# Altium PCB AD9850模块.PcbDoc
Units mm, origin at the board's own origin, x right, y up, seen from the top; angles counter-clockwise.
Board outline 59.69 x 39.37 mm, 2 copper layers (Top Layer, Bottom Layer); 61 components, 34 nets, 176 pads, 25 vias.
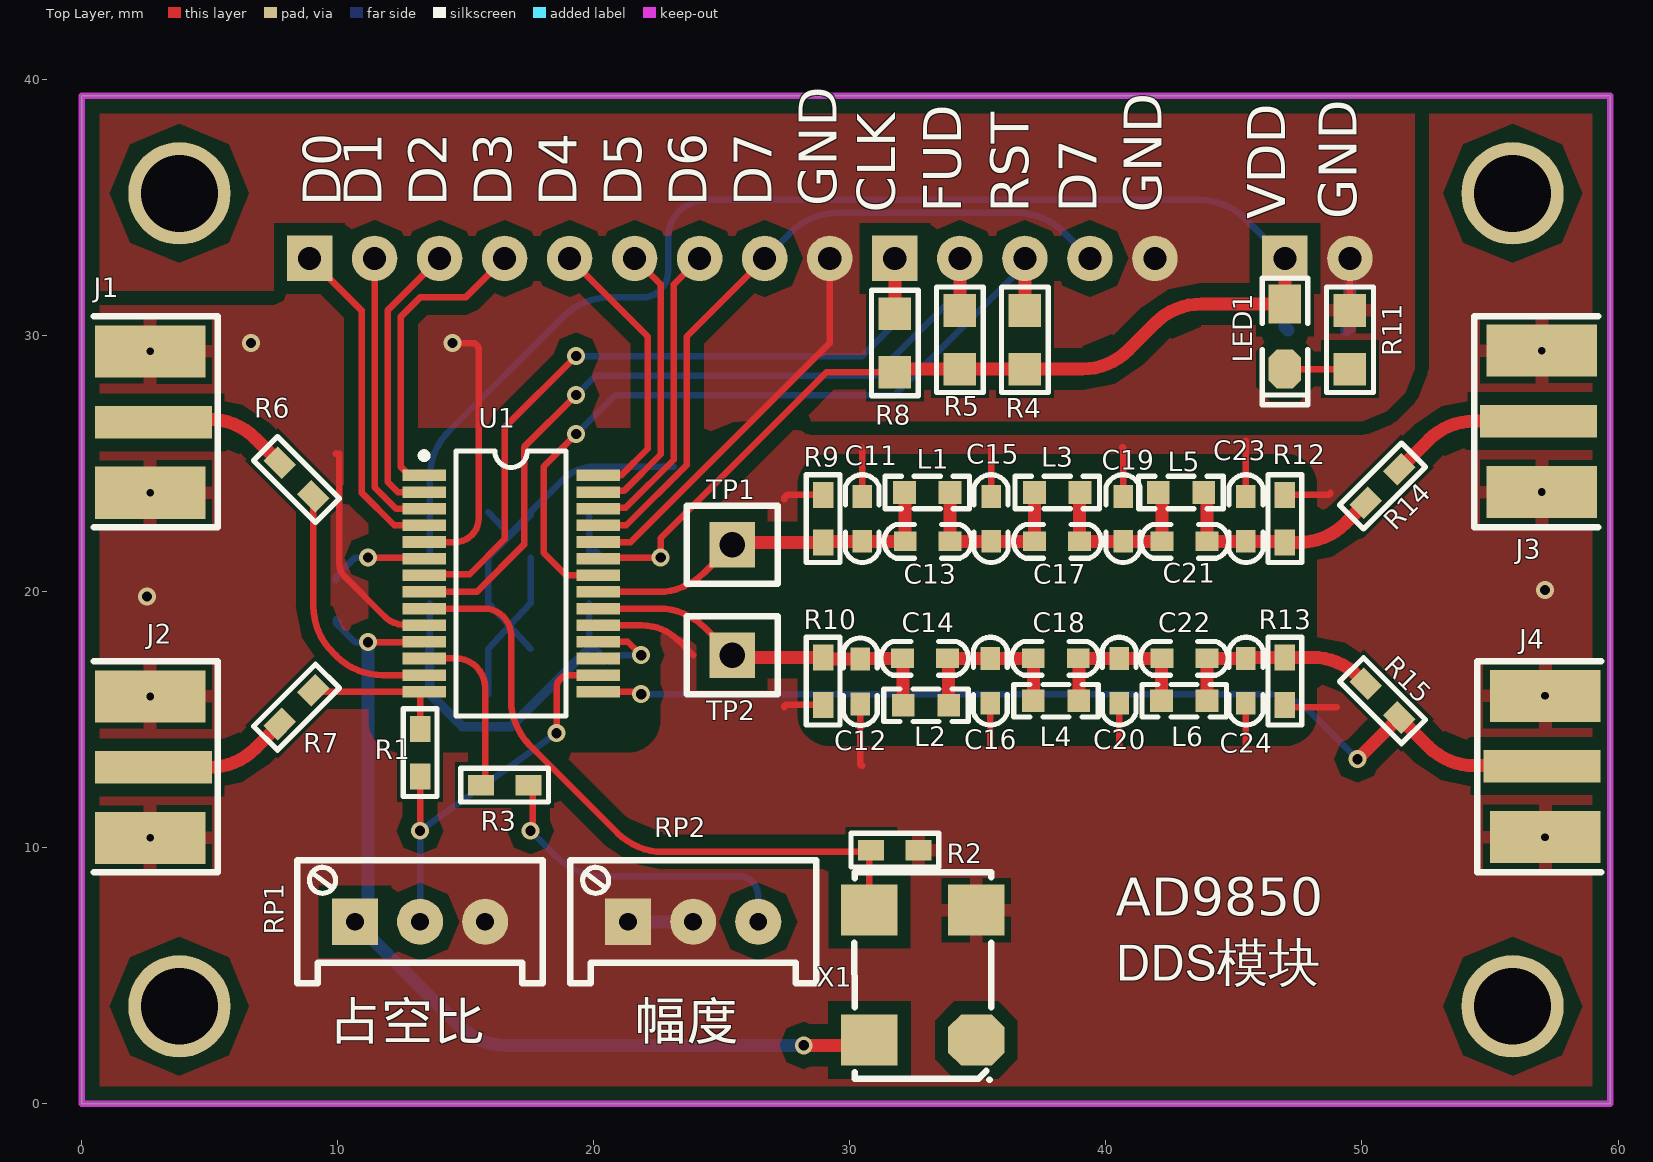
[diagram p0: Top Layer view]
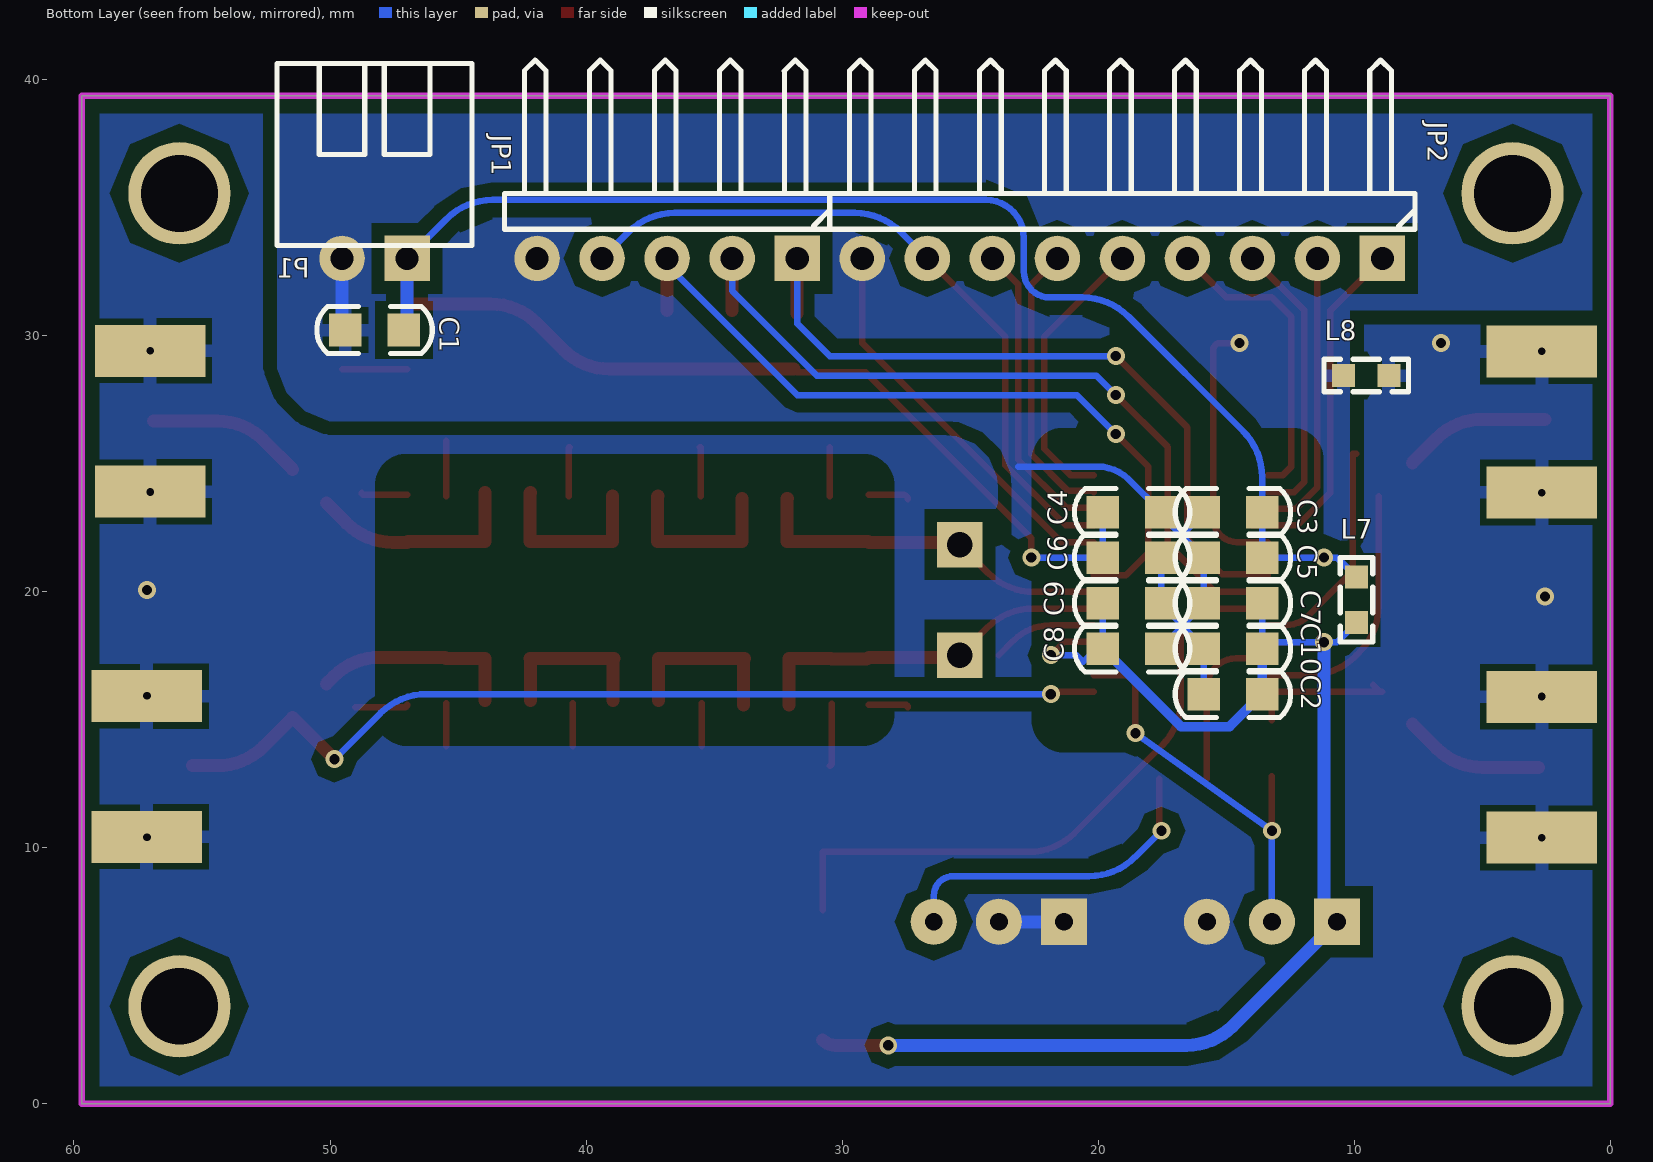
[diagram p1: Bottom Layer view, seen from below]

## Layer stack, top to bottom
Top Solder: solder mask 0.0102, Solder Resist, Dk 3.5
Top Layer: signal copper 0.0356
Dielectric 1: dielectric 0.32, FR-4, Dk 4.8
Bottom Layer: signal copper 0.0356
Bottom Solder: solder mask 0.0102, Solder Resist, Dk 3.5

## Board outline
0,0 59.69,0 59.69,39.37 0,39.37

## Design rules (kind name [scope] priority, off if disabled: settings)
Clearance [All] p1: gap=0.508 ignorepadtopadclearanceinfootprint=FALSE except(0: Arc-Hole Track-Hole SMDPad-Hole THPad-Hole Via-Hole Fill-Hole Poly-Hole Region-Hole Text-Hole; 0.152: SMDPad-SMDPad; 0.203: Arc-THPad Track-THPad; 0.254: Arc-Arc Arc-Track Arc-SMDPad Arc-Via Arc-Text Track-Track Track-SMDPad Track-Via Track-Text SMDPad-THPad SMDPad-Via SMDPad-Text THPad-THPad THPad-Via THPad-Text Via-Via Via-Text Fill-Text Poly-Text Region-Text Text-Text)
ComponentClearance [All] p1: gap=0 collisioncheckmode=3 verticalgap=0 showdistances=FALSE
HoleSize [All] p1: absolutevalues=TRUE maxlimit=4 minlimit=0.025 maxpercent=80.000 minpercent=20.000
MinimumSolderMaskSliver [All] p1: minsoldermaskwidth=0
PolygonConnect [All] p1: thpad.connectstyle=Direct thpad.reliefconductorwidth=0.254 thpad.reliefentries=4 thpad.polygonreliefangle="90 Angle" thpad.airgapwidth=0.254 smdpad.connectstyle=Relief smdpad.reliefconductorwidth=0.508 smdpad.reliefentries=4 smdpad.polygonreliefangle="90 Angle" smdpad.airgapwidth=0.254 via.connectstyle=Direct via.reliefconductorwidth=0.254 via.reliefentries=4 via.polygonreliefangle="90 Angle" via.airgapwidth=0.254
RoutingVias [All] p1: holewidth=0.711 width=1.27 viastyle="Through Hole" minholewidth=0.3 minwidth=0.6 maxholewidth=0.711 maxwidth=1.27
SilkToSilkClearance [All] p1: silktosilkclearance=0
SilkToSolderMaskClearance [IsPad] p1: minsilkscreentomaskgap=0 clearancetoexposedcopper=TRUE
SolderMaskExpansion [All] p1: expansion=0.102
UnpouredPolygon [All] p1: allowunpoured=TRUE allowshelved=TRUE
Width [All] p1: maxlimit=2.54 minlimit=0.254 preferedwidth=0.254
24 further rules are at their usual default settings.

## Components (designator, comment, footprint, x,y, rotation, side; value= is the part's Value field where it differs from the comment)
C1 "10uF" "C 0805" 48.26,30.226 r180 bottom
C2 "10uF" "C 0805" 14.732,16.002 r180 bottom
C3 "0.1uF" "C 0805" 14.732,23.114 r180 bottom
C4 "0.1uF" "C 0805" 18.669,23.114 r0 bottom
C5 "0.1uF" "C 0805" 14.732,21.336 r180 bottom
C6 "0.1uF" "C 0805" 18.669,21.336 r0 bottom
C7 "0.1uF" "C 0805" 14.732,19.558 r180 bottom
C8 "0.1uF" "C 0805" 18.669,17.78 r0 bottom
C9 "0.1uF" "C 0805" 18.669,19.558 r0 bottom
C10 "0.1uF" "C 0805" 14.732,17.78 r180 bottom
C11 "22pF" "C 0603" 30.48,22.86 r90 top
C12 "22pF" "C 0603" 30.404,16.485 r270 top
C13 "1pF" "C 0603" 33.045,21.971 r0 top
C14 "1pF" "C 0603" 32.918,17.399 r180 top
C15 "33pF" "C 0603" 35.509,22.86 r90 top
C16 "33pF" "C 0603" 35.484,16.51 r270 top
C17 "5.6pF" "C 0603" 38.1,21.971 r0 top
C18 "5.6pF" "C 0603" 38.024,17.399 r180 top
C19 "22pF" "C 0603" 40.665,22.86 r90 top
C20 "22pF" "C 0603" 40.513,16.51 r270 top
C21 "4.7pF" "C 0603" 43.078,21.971 r0 top
C22 "4.7pF" "C 0603" 43.053,17.399 r180 top
C23 "22pF" "C 0603" 45.466,22.86 r90 top
C24 "22pF" "C 0603" 45.466,16.51 r270 top
J1 "COAX" MCX5.08-5-H 2.794,26.619 r0 top
J2 "COAX" MCX5.08-5-H 2.794,13.138 r0 top
J3 "COAX" MCX5.08-5-H 56.896,26.67 r180 top
J4 "COAX" MCX5.08-5-H 57.023,13.189 r180 top
JP1 "HDR-1X5" HDR-1X5_H 31.75,33.02 r0 bottom
JP2 "HDR-1X9" HDR-1X9_H 8.89,33.02 r0 bottom
L1 "470nH" "L 0603" 33.02,23.876 r0 top
L2 "470nH" "L 0603" 32.969,15.57 r0 top
L3 "390nH" "L 0603" 38.1,23.876 r0 top
L4 "390nH" "L 0603" 38.049,15.748 r0 top
L5 "390nH" "L 0603" 42.926,23.876 r0 top
L6 "390nH" "L 0603" 43.053,15.748 r0 top
L7 "100nH" "L 0603" 9.906,19.685 r270 bottom
L8 "100nH" "L 0603" 9.525,28.448 r180 bottom
LED1 "红色" "LED 0805G" 46.99,29.972 r270 top
P1 "Header 2" HDR2X1_B2 46.99,33.02 r0 bottom
R1 "200R" "R 0603" 13.208,13.716 r270 top
R2 "50" "R 0603" 31.75,9.906 r180 top
R3 "3.9K" "R 0603" 16.51,12.446 r180 top
R4 "2.2K" "R 0805" 36.83,29.845 r270 top
R5 "2.2K" "R 0805" 34.29,29.845 r270 top
R6 "50R" "R 0603" 8.382,24.384 r315 top
R7 "50R" "R 0603" 8.382,15.494 r45 top
R8 "2.2K" "R 0805" 31.75,29.718 r270 top
R9 "200R" "R 0603" 28.956,22.86 r90 top
R10 "200R" "R 0603" 28.956,16.51 r90 top
R11 "910R" "R 0805" 49.53,29.845 r270 top
R12 "200R" "R 0603" 46.99,22.86 r90 top
R13 "200R" "R 0603" 46.99,16.51 r90 top
R14 "50R" "R 0603" 50.8,24.13 r225 top
R15 "50R" "R 0603" 50.8,15.748 r135 top
RP1 "10K" 3296W 13.208,7.112 r0 top
RP2 "10K" 3296W 23.876,7.112 r0 top
TP1 "TEST TP" "TEST TP1.4_B" 25.4,21.844 r0 top
TP2 "TEST TP" "TEST TP1.4_B" 25.4,17.526 r0 top
U1 "AD9850BRS" RS-28 16.764,20.32 r270 top
X1 "XTAL" X-CPX75 33.02,4.826 r90 top

## Footprints (in the part's own frame and the unit in brackets; to place one, negate y for a bottom-side part, rotate by r counter-clockwise, add the part's x,y. Pads: shape width x height; smd on the part's side, far side on the other; paste and mask are expansions set on the pad)
3296W [mm] "Precise Multi-Winding Adjustable Resistor"
  rect 1.8x1.8 hole 0.7: 1(-2.54,0)
  round 1.8 hole 0.7: 2(0,0) 3(2.54,0)
  silkscreen extent -4.8,-2.4 4.8,2.4, body extent -4.75,-2.4 4.75,2.4, height 11.52
"C 0603" [mil] "无极性贴片电容"
  rect 35x30 smd: 1(-35,0) 2(34,0)
  silkscreen extent -67,-26 67,26, body extent -31,-16 31,16, height 32
"C 0805" [mil] "无极性贴片电容"
  rect 50x50 smd: 1(-45,0) 2(45,0)
  silkscreen extent -89,-36 89,36, body extent -39,-24 39,24, height 20
HDR2X1_B2 [mil] "Connector; Header; 4 Position"
  rect 70x70 hole 35.43: 1(0,0)
  round 70 hole 35.43: 2(100,0)
  silkscreen extent -100,-300 200,-20, body extent -100,-300 200,-15, height 217
HDR-1X5_H [mil] "弯脚排针，5脚"
  rect 70x70 hole 35.43: 1(0,0)
  round 70 hole 35.43: 2(100,0) 3(200,0) 4(300,0) 5(400,0)
  silkscreen extent -50,-305 450,-45, body extent -50,-306 450,50, height 191
HDR-1X9_H [mil] "弯脚排针，9脚"
  rect 70x70 hole 35.43: 1(0,0)
  round 70 hole 35.43: 2(100,0) 3(200,0) 4(300,0) 5(400,0) 6(500,0) 7(600,0) 8(700,0) 9(800,0)
  silkscreen extent -50,-305 850,-45, body extent -50,-306 850,50, height 191
"L 0603" [mil] "小功率贴片电感"
  rect 35x35 smd: 1(-35,0) 2(35,0)
  silkscreen extent -65,-25 65,25, body extent -31,-16 31,16, height 31
"LED 0805G" [mil] "绿色0805LED"
  rect 60x50 smd: 1(-50,0)
  oct 60x50 smd: 2(50,0)
  silkscreen extent -90,-35 105,35, body extent -39,-25 39,25, height 32
MCX5.08-5-H [mil]
  rect 180x50 smd: 1(0,0)
  rect 170x80 smd: 2(-5,109.25) 5(-5,-108.27)
  rect 170x80 smd far side: 3(-5,108.66) 4(-5,-107.87)
  silkscreen extent -92,-161 99,163, body extent -93,-132 80,134, height 39
"R 0603" [mil] "1/10W贴片电阻"
  rect 40x31.5 smd: 1(-36.5,0) 2(36.5,0)
  silkscreen extent -68,-26 68,26, body extent -31,-16 31,16, height 16
"R 0805" [mil] "1/8W贴片电阻"
  rect 50x50 smd: 1(-45,0) 2(45,0)
  silkscreen extent -81,-36 81,36, body extent -39,-25 39,25, height 20
RS-28 [mm] "SSOP; 28 Leads; Body Width 5.3 mm; Pitch 0.65 mm"
  rect 0.45x1.7 smd: 1(-4.225,-3.4) 2(-3.575,-3.4) 3(-2.925,-3.4) 4(-2.275,-3.4) 5(-1.625,-3.4) 6(-0.975,-3.4) 7(-0.325,-3.4) 8(0.325,-3.4) 9(0.975,-3.4) 10(1.625,-3.4) 11(2.275,-3.4) 12(2.925,-3.4) 13(3.575,-3.4) 14(4.225,-3.4) 15(4.225,3.4) 16(3.575,3.4) 17(2.925,3.4) 18(2.275,3.4) 19(1.625,3.4) 20(0.975,3.4) 21(0.325,3.4) 22(-0.325,3.4) 23(-0.975,3.4) 24(-1.625,3.4) 25(-2.275,3.4) 26(-2.925,3.4) 27(-3.575,3.4) 28(-4.225,3.4)
  silkscreen extent -5.18,-3.52 5.18,2.15
"TEST TP1.4_B" [mil] "蓝色，测试环"
  rect 70x70 hole 39.37: 1(0,0)
  silkscreen extent -70,-60 70,60, body extent -66,-55 66,55, height 213
X-CPX75 [mm]
  oct 2x2.2 smd: 1(-2.331,-1.915)
  rect 2x2.2 smd: 2(2.741,-1.915) 3(2.741,2.261) 4(-2.331,2.261)
  silkscreen extent -3.88,-2.5 4.23,2.84, body extent -3.86,-2.49 4.24,2.84, height 1.75

## Part data
C1 C2 C3 C4 C5 C6 C7 C8 C9 C10 C11 C12 C13 C14 C15 C16 C17 C18 C19 C20 C21 C22 C23 C24: library part C, "无极性贴片电容"
JP1: library part "Header 5", "5P接插件", BOM名称=5P接插件, 学习资源=www.ooocke.com, 版权归属=源创客
JP2: library part "Header 9", "9P接插件", BOM名称=9P接插件, 学习资源=www.ooocke.com, 版权归属=源创客
L1 L2 L3 L4 L5 L6 L7 L8: library part L, "小功率贴片电感"
LED1: library part LED-SMD, "贴片LED", BOM名称=贴片LED, 学习资源=www.ooocke.com, 版权归属=源创客
P1: "接插件", LatestRevisionDate=17-Jul-2002, LatestRevisionNote="Re-released for DXP Platform.", Publisher="Altium Limited"
R1 R2 R3 R4 R5 R6 R7 R8 R9 R10 R11 R12 R13 R14 R15: library part R, "贴片电阻", BOM名称=贴片电阻, 学习资源=www.ooocke.com, 版权归属=源创客
RP1 RP2: library part RP-ID, "插件单联电位器", BOM名称=插件电位器, 学习资源=www.ooocke.com, 版权归属=源创客
TP1 TP2: "测试环", BOM名称=测试环, 学习资源=www.ooocke.com, 版权归属=源创客
U1: "CMOS, 125MHz Complete DDS Synthesizer", ComponentLink1Description="Manufacturer Link", ComponentLink1URL=http://www.analog.com/en/prod/0%2C2877%2CAD9850%2C00.html, ComponentLink2Description=Datasheet, ComponentLink2URL=http://www.analog.com/UploadedFiles/Data_Sheets/34008438159094AD9850_h.pdf, DatasheetVersion="Rev.A 1997", LatestRevisionDate=04-Mar-2005, LatestRevisionNote="Stylized 3D Model Added.", Note="Pin 17 is unconnected for optimum performance", PackageDescription="SSOP; 28 Leads; Body Width 5.3 mm; Pitch 0.65 mm", PackageReference=RS-28, PackageVersion="revA, 1997", Published=8-Jun-2000, Publisher="Altium Limited"
X1: library part XTAL_Oscillator, "有源晶振", Frequency=12MHz

## Free pads (board coordinates)
  round 4 hole 3: 1(3.81,35.56) 2(3.81,3.81) 3(55.88,3.81) 4(55.88,35.56)

## Via types
v1: diameter 0.7, hole 0.4, Top Layer to Bottom Layer, tented both sides, 17 vias
v2: diameter 0.6, hole 0.3, Top Layer to Bottom Layer, tented both sides, 8 vias

## Nets (pads, with @x,y where several pads share a name; then routed paths per layer and width w, separated by ;. In a path a pad name is that pad's centre, name@x,y a point inside that pad or via, vN(x,y) a via of type N, cw(c..) or ccw(c..) an arc to the next point about the centre after c; other vN are vias at no path point)
AGND: C11.2 C12.2 C15.2 C16.2 C19.2 C20.2 C23.2 C24.2 J1.2 J1.3 J1.4 J1.5 J2.2 J2.3 J2.4 J2.5 J3.2 J3.3 J3.4 J3.5 J4.2 J4.3 J4.4 J4.5 L8.2 R2.1 R9.2 R10.1 R12.2 R13.1 RP1.3 RP2.1 RP2.2 U1.10 U1.19 X1.2 | length 38.1
  Top Layer w0.254: 9.906,25.4 10.061,25.4 10.061,21.082 ccw(c10.75,21.082) 10.263,20.595 11.807,19.05 ccw(c12.664,19.907) 12.199,18.788 ccw(c12.664,19.907) 12.664,18.695 U1.10 ; U1.19 21.844,18.695 cw(c21.844,16.612) 22.316,18.641 cw(c21.844,16.612) 22.817,18.454 cw(c21.844,16.612) 23.317,18.085 23.876,17.526 ; 27.432,15.494 cw(c27.521,15.494) 27.521,15.583 R10.1 ; 27.432,23.622 cw(c27.597,23.622) 27.597,23.787 R9.2 ; C12.2 30.404,13.284 ccw(c30.48,13.284) 30.48,13.208 ; C11.2 30.48,25.654 ; 35.484,13.97 C16.2 ; C15.2 35.509,25.603 cw(c35.56,25.603) 35.56,25.654 ; 40.513,13.97 C20.2 ; 40.64,25.654 cw(c40.64,25.629) 40.665,25.629 C19.2 ; 45.466,13.97 C24.2 ; C23.2 45.466,25.908 ; R13.1 ccw(c47.079,15.583) 47.079,15.494 49.022,15.494 ; R12.2 48.679,23.787 ccw(c48.679,23.876) 48.768,23.876
  Bottom Layer w0.508: RP2.1 RP2.2
  other v1: 2.54,19.812 57.15,20.066 6.604,29.718
  other v2: 2.667,10.388 57.15,10.414 2.667,15.913 57.15,15.939 2.667,23.869 57.023,23.895 2.667,29.394 57.023,29.42
AVDD: C2.2 C7.2 C8.2 C9.2 C10.2 L7.2 RP1.1 U1.11 U1.18 X1.4 | length 57.4
  Top Layer w0.254: v1(11.176,18.034) 13.353,18.034 U1.11 ; U1.18 21.325,18.045 v1(21.844,17.526)
  Top Layer w0.508: v1(28.194,2.286) 30.255,2.286 ccw(c30.255,2.999) X1.4
  Bottom Layer w0.254: L7.2 10.668,18.034 v1(11.176,18.034) 13.335,18.034 C10.2 C7.2 ; L7.2@9.906,18.923 L7.2@10.033,18.796 ; C9.2 19.812,18.034 20.574,17.272 20.828,17.526 v1(21.844,17.526)
  Bottom Layer w0.381: C10.2 C2.2 14.859,14.732 16.764,14.732 C8.2
  Bottom Layer w0.508: v1(11.176,18.034) 11.176,7.112 RP1.1 14.75,3.03 ccw(c16.546,4.826) 16.546,2.286 v1(28.194,2.286)
DATA: JP1.4 JP2.8 U1.25 | length 27.7
  Top Layer w0.254: U1.25 21.265,22.595 23.622,24.952 23.622,29.972 JP2.8
  Bottom Layer w0.254: JP2.8 27.704,34.054 cw(c29.5,32.258) 29.5,34.798 36.54,34.798 cw(c36.54,32.258) 38.336,34.054 JP1.4
DVDD: C1.2 C3.2 C4.2 C5.2 C6.2 L7.1 LED1.1 P1.1 R4.2 R5.2 R8.2 U1.6 U1.23 | length 90.3
  Top Layer w0.254: v1(11.176,21.336) 13.323,21.336 U1.6 ; U1.23 20.205,21.336 v1(22.606,21.336) 22.606,22.098 29.083,28.575 R8.2 ; R8.2@31.75,28.702 R8.2@31.877,28.702
  Top Layer w0.508: R8.2@31.877,28.702 R5.2 R4.2 39.08,28.702 ccw(c39.08,31.242) 40.876,29.446 41.928,30.498 cw(c43.724,28.702) 43.724,31.242 LED1.1 P1.1
  Bottom Layer w0.254: L7.1@9.906,20.447 L7.1@9.931,20.472 ; L7.1@9.906,20.498 L7.1@9.944,20.536 ; L7.1 10.668,21.336 v1(11.176,21.336) C5.2 C3.2 13.589,24.475 cw(c16.129,24.475) 14.333,26.271 18.814,30.752 cw(c20.61,28.956) 20.61,31.496 21.883,31.496 ccw(c21.883,32.512) 22.899,32.512 22.899,33.821 cw(c24.384,33.821) 24.384,35.306 43.652,35.306 cw(c43.652,32.766) 45.448,34.562 P1.1 ; C4.2 C6.2 20.066,21.59 20.361,21.295 20.402,21.336 v1(22.606,21.336)
  Bottom Layer w0.508: P1.1 46.99,30.353 C1.2
FQ_UD: JP1.2 R5.1 U1.8 | length 31.3
  Top Layer w0.254: U1.8 15.423,19.995 17.272,21.844 17.272,25.654 v1(19.304,27.686)
  Top Layer w0.508: R5.1 JP1.2
  Bottom Layer w0.254: v1(19.304,27.686) 20.066,28.448 30.988,28.448 34.29,31.75 JP1.2
GND: C1.1 C2.1 C3.1 C4.1 C5.1 C6.1 C7.1 C8.1 C9.1 C10.1 JP1.5 JP2.9 L8.1 P1.2 R11.1 U1.5 U1.24 | length 52.2
  Top Layer w0.254: U1.5 14.579,21.945 ccw(c14.579,22.86) 15.494,22.86 15.494,29.464 ccw(c15.24,29.464) 15.24,29.718 v1(14.478,29.718) ; U1.24 21.437,21.945 29.21,29.718 JP2.9 ; R11.1 P1.2
  Bottom Layer w0.254: C2.1 C10.1 16.7,18.669 ; C3.1 16.7,22.225 C4.1 ; C8.1 16.7,18.669 ; C6.1 C9.1 16.7,18.669 ; 23.114,24.892 20.022,24.892 ccw(c20.022,23.158) 18.796,24.384 C4.1 ; 16.7,18.669 C7.1 C5.1 17.526,22.987 C4.1
  Bottom Layer w0.508: C1.1 49.53,30.353 P1.2
IN+: R1.2 RP1.2 U1.16 | length 15.9
  Top Layer w0.254: v1(13.208,10.668) R1.2 ; v1(18.542,14.478) 18.542,16.256 cw(c19.031,16.256) 19.031,16.745 U1.16
  Bottom Layer w0.254: RP1.2 v1(13.208,10.668) v1(18.542,14.478)
IOUT: J4.1 R15.1 U1.15 | length 37.5
  Top Layer w0.254: U1.15 21.619,16.095 cw(c21.619,15.777) v1(21.844,16.002)
  Top Layer w0.508: v1(49.825,13.462) R15.1 52.596,13.952 ccw(c54.392,15.748) 54.392,13.208 J4.1@55.372,13.208
  Bottom Layer w0.254: v1(21.844,16.002) 46.233,16.002 cw(c46.233,13.462) 48.029,15.258 v1(49.825,13.462)
NetC11_1: C11.1 C13.1 L1.1 R9.1 TP1.1 U1.21 | length 14.4
  Top Layer w0.254: U1.21 22.499,19.995 ccw(c22.499,22.535) 24.295,20.739 TP1.1
  Top Layer w0.508: TP1.1 cw(c25.615,21.629) 25.615,21.933 R9.1 cw(c29.048,21.841) 29.048,21.971 C11.1 C13.1 32.156,23.586 ccw(c32.07,23.586) L1.1@32.131,23.647
NetC12_1: C12.1 C14.2 L2.1 R10.2 TP2.1 U1.20 | length 14.4
  Top Layer w0.254: U1.20 22.529,19.345 cw(c22.529,16.805) 24.325,18.601 TP2.1
  Top Layer w0.508: TP2.1 ccw(c25.615,17.741) 25.615,17.437 R10.2 ccw(c29.109,17.59) 29.109,17.374 C12.1 cw(c30.465,17.312) 30.465,17.399 C14.2 cw(c31.993,17.338) 32.08,17.338 L2.1
NetC13_2: C13.2 C15.1 C17.1 L1.2 L3.1 | length 6.8
  Top Layer w0.508: L1.2@33.909,23.647 C13.2 C15.1 C17.1 37.211,23.688 ccw(c37.124,23.688) L3.1@37.186,23.749
NetC14_1: C14.1 C16.1 C18.2 L2.2 L4.1 | length 6.8
  Top Layer w0.508: L2.2 33.858,17.276 ccw(c33.685,17.276) C14.1 C16.1 C18.2 L4.1
NetC17_2: C17.2 C19.1 C21.1 L3.2 L5.1 | length 6.9
  Top Layer w0.508: L3.2@38.964,23.749 C17.2 C19.1 C21.1 42.189,23.815 ccw(c42.103,23.815) L5.1@42.164,23.876
NetC18_1: C18.1 C20.1 C22.2 L4.2 L6.1 | length 6.6
  Top Layer w0.508: L4.2 38.938,17.338 ccw(c38.851,17.338) C18.1 C20.1 C22.2 ccw(c42.251,17.338) 42.164,17.338 L6.1
NetC21_2: C21.2 C23.1 L5.2 R12.1 R14.2 | length 8.6
  Top Layer w0.508: L5.2@43.942,23.876 C21.2 C23.1 46.898,21.971 cw(c46.898,21.841) R12.1 47.551,21.933 ccw(c47.551,24.473) 49.347,22.677 R14.2
NetC22_1: C22.1 C24.1 L6.2 R13.2 R15.2 | length 8.2
  Top Layer w0.508: L6.2 C22.1 C24.1 cw(c45.558,17.307) 45.558,17.437 R13.2 48.059,17.437 cw(c48.059,14.897) 49.855,16.693 R15.2
NetJ1_1: J1.1 R6.1 | length 5.8
  Top Layer w0.508: J1.1@2.54,26.74 4.974,26.74 cw(c4.974,24.2) 6.77,25.996 R6.1
NetJ2_1: J2.1 R7.1 | length 5.5
  Top Layer w0.508: J2.1 4.974,13.138 ccw(c4.974,15.678) 6.77,13.882 R7.1
NetJ3_1: J3.1 R14.1 | length 6.1
  Top Layer w0.508: R14.1 52.596,25.926 cw(c54.392,24.13) 54.392,26.67 J3.1
NetJP2_1: JP2.1 U1.4 | length 13.6
  Top Layer w0.254: JP2.1 10.922,30.988 10.922,23.876 12.203,22.595 U1.4 U1.4@13.97,22.595
NetJP2_2: JP2.2 U1.3 | length 11.8
  Top Layer w0.254: JP2.2 JP2.2@11.43,32.258 ; JP2.2@11.811,32.639 JP2.2@11.43,32.258 ; U1.3 12.271,23.245 11.43,24.086 JP2.2@11.43,32.258
NetJP2_3: JP2.3 U1.2 | length 11.2
  Top Layer w0.254: U1.2 12.34,23.895 11.938,24.297 11.938,30.988 JP2.3
NetJP2_4: JP2.4 U1.1 | length 11.9
  Top Layer w0.254: U1.1 12.793,24.545 12.446,24.892 12.446,30.734 13.208,31.496 14.986,31.496 JP2.4
NetJP2_5: JP2.5 U1.28 | length 11.1
  Top Layer w0.254: JP2.5 22.098,29.972 22.098,25.584 21.059,24.545 U1.28
NetJP2_6: JP2.6 U1.27 | length 11.1
  Top Layer w0.254: U1.27 20.208,23.939 21.172,23.939 22.606,25.373 22.606,32.004 JP2.6
NetJP2_7: JP2.7 U1.26 | length 12.6
  Top Layer w0.254: U1.26@19.733,23.201 cw(c19.733,23.245) 19.689,23.245 U1.26 20.208,23.289 21.24,23.289 23.114,25.163 23.114,32.004 JP2.7
NetLED1_2: LED1.2 R11.2 | length 2.5
  Top Layer w0.254: LED1.2 R11.2
NetR2_2: R2.2 U1.9 X1.3 | length 25.6
  Top Layer w0.254: U1.9 15.707,19.345 cw(c15.707,18.288) 16.764,18.288 16.764,15.784 ccw(c19.304,15.784) 17.508,13.988 20.91,10.586 ccw(c22.706,12.383) 22.706,9.843 30.759,9.843 X1.3
NetR3_1: R3.1 RP2.3 | length 13
  Top Layer w0.254: v1(17.526,10.668) 17.602,10.744 R3.1@17.602,12.7
  Bottom Layer w0.254: v1(17.526,10.668) 18.56,9.634 ccw(c20.356,11.43) 20.356,8.89 25.654,8.89 cw(c25.654,8.128) 26.416,8.128 RP2.3
NetR3_2: R3.2 U1.12 | length 6.6
  Top Layer w0.254: U1.12 14.609,17.395 cw(c14.609,16.256) 15.748,16.256 R3.2@15.748,12.7
O\U\T\: R1.1 R7.2 U1.14 | length 5.9
  Top Layer w0.254: R7.2@8.907,16.095 U1.14@13.208,16.095 ; R7.2 R7.2@9.26,16.372 ; R1.1@13.208,14.986 U1.14@13.208,16.095 ; U1.14 U1.14@13.208,16.095
OUT: R6.2 U1.13 | length 10.1
  Top Layer w0.254: R6.2 9.038,19.447 ccw(c11.578,19.447) 9.782,17.65 9.943,17.489 ccw(c11.739,19.285) 11.739,16.745 U1.13
RST: JP1.3 R4.1 U1.22 | length 30.2
  Top Layer w0.254: v1(19.304,26.162) 18.034,24.892 18.034,21.52 18.909,20.645 U1.22
  Top Layer w0.508: R4.1 JP1.3
  Bottom Layer w0.254: v1(19.304,26.162) 20.828,27.686 31.75,27.686 36.83,32.766 JP1.3
WLCK: JP1.1 R8.1 U1.7 | length 29.7
  Top Layer w0.254: U1.7 13.408,20.689 15.145,20.689 16.51,22.054 16.51,26.416 v1(19.304,29.21)
  Top Layer w0.508: R8.1 JP1.1
  Bottom Layer w0.254: v1(19.304,29.21) 30.48,29.21 31.75,30.48 JP1.1
pads on no net: U1.17 X1.1

## Polygon pours and split planes (outlines as drawn)
AGND on Top Layer "AGND_L01_P006" (solid, remove dead copper, pour order 6): 0,39.37 0,0 59.69,0 59.69,39.624
GND on Top Layer "GND_L01_P000" (solid, remove dead copper, pour order 0): 0,31.75 8.89,31.75 cw(c8.89,30.48) 10.16,30.48 10.16,21.082 ccw(c11.43,21.082) 11.43,19.812 22.606,19.812 ccw(c22.606,20.574) 23.368,20.574 23.368,24.13 cw(c25.908,24.13) 25.908,26.67 49.53,26.67 ccw(c49.53,29.21) 52.07,29.21 52.07,39.37 0,39.37
AGND on Bottom Layer "AGND_L02_P008" (solid, remove dead copper, pour order 8): 0,39.37 0,0 59.436,0 59.69,0.254 59.69,39.116
GND on Bottom Layer "GND_L02_P002" (solid, remove dead copper, pour order 2): 0,30.988 10.16,30.988 10.16,21.082 ccw(c11.43,21.082) 11.43,19.812 22.606,19.812 ccw(c22.606,20.574) 23.368,20.574 23.368,24.13 cw(c25.908,24.13) 25.908,26.67 49.53,26.67 ccw(c49.53,29.21) 52.07,29.21 52.07,39.37 0,39.37

## Keep-outs
Keep-Out Layer:
  the board outline again, w0.254

## Other copper
Top Layer:
  pour cut-out: 27.94,15.24 ccw(c29.21,15.24) 29.21,13.97 46.99,13.97 ccw(c46.99,15.24) 48.26,15.24 48.26,24.13 ccw(c46.99,24.13) 46.99,25.4 29.21,25.4 ccw(c29.21,24.13) 27.94,24.13
  pour cut-out: 21.336,26.416 12.446,26.416 ccw(c12.446,25.146) 11.176,25.146 11.176,14.986 ccw(c12.446,14.986) 12.446,13.716 21.336,13.716 ccw(c21.336,14.986) 22.606,14.986 22.606,25.146 ccw(c21.336,25.146)
Bottom Layer:
  pour cut-out: 27.94,15.24 ccw(c29.21,15.24) 29.21,13.97 46.99,13.97 ccw(c46.99,15.24) 48.26,15.24 48.26,24.13 ccw(c46.99,24.13) 46.99,25.4 29.21,25.4 ccw(c29.21,24.13) 27.94,24.13
  pour cut-out: 21.336,26.416 12.446,26.416 ccw(c12.446,25.146) 11.176,25.146 11.176,14.986 ccw(c12.446,14.986) 12.446,13.716 21.336,13.716 ccw(c21.336,14.986) 22.606,14.986 22.606,25.146 ccw(c21.336,25.146)

## Silkscreen, mask and mechanical layers (free items; w line width, h text height)
Top Overlay:
  text "D0" at 8.128,35.052 h2.54 r270
  text "D1" at 12.192,35.052 h2.54 r90
  text "D2" at 14.732,35.052 h2.54 r90
  text "D3" at 17.272,35.052 h2.54 r90
  text "D4" at 19.812,35.052 h2.54 r90
  text "D5" at 22.352,35.052 h2.54 r90
  text "D6" at 24.892,35.052 h2.54 r90
  text "D7" at 27.432,35.052 h2.54 r90
  text "GND" at 29.972,35.052 h2.54 r90
  text "CLK" at 32.258,34.798 h2.54 r90
  text "FUD" at 34.829,34.798 h2.54 r90
  text "RST" at 37.465,34.798 h2.54 r90
  text "D7" at 40.125,34.798 h2.54 r90
  text "GND" at 42.672,34.798 h2.54 r90
  text "VDD" at 47.498,34.544 h2.54 r90
  text "GND" at 50.292,34.544 h2.54 r90
  text "AD9850 / DDS模块" at 40.386,4.318 h2.54
  text "占空比" at 9.652,2.032 h2.54
  text "幅度" at 21.59,2.032 h2.54